# Altium PCB ST_Board.PcbDoc
Units mil, origin at the board's own origin, x right, y up, seen from the top; angles counter-clockwise.
Board outline 1653.54 x 1968.5 mil, 4 copper layers (Top Layer, GND, Power, Bottom Layer), stack 23.756 mil thick; 58 components, 54 nets, 225 pads, 114 vias.
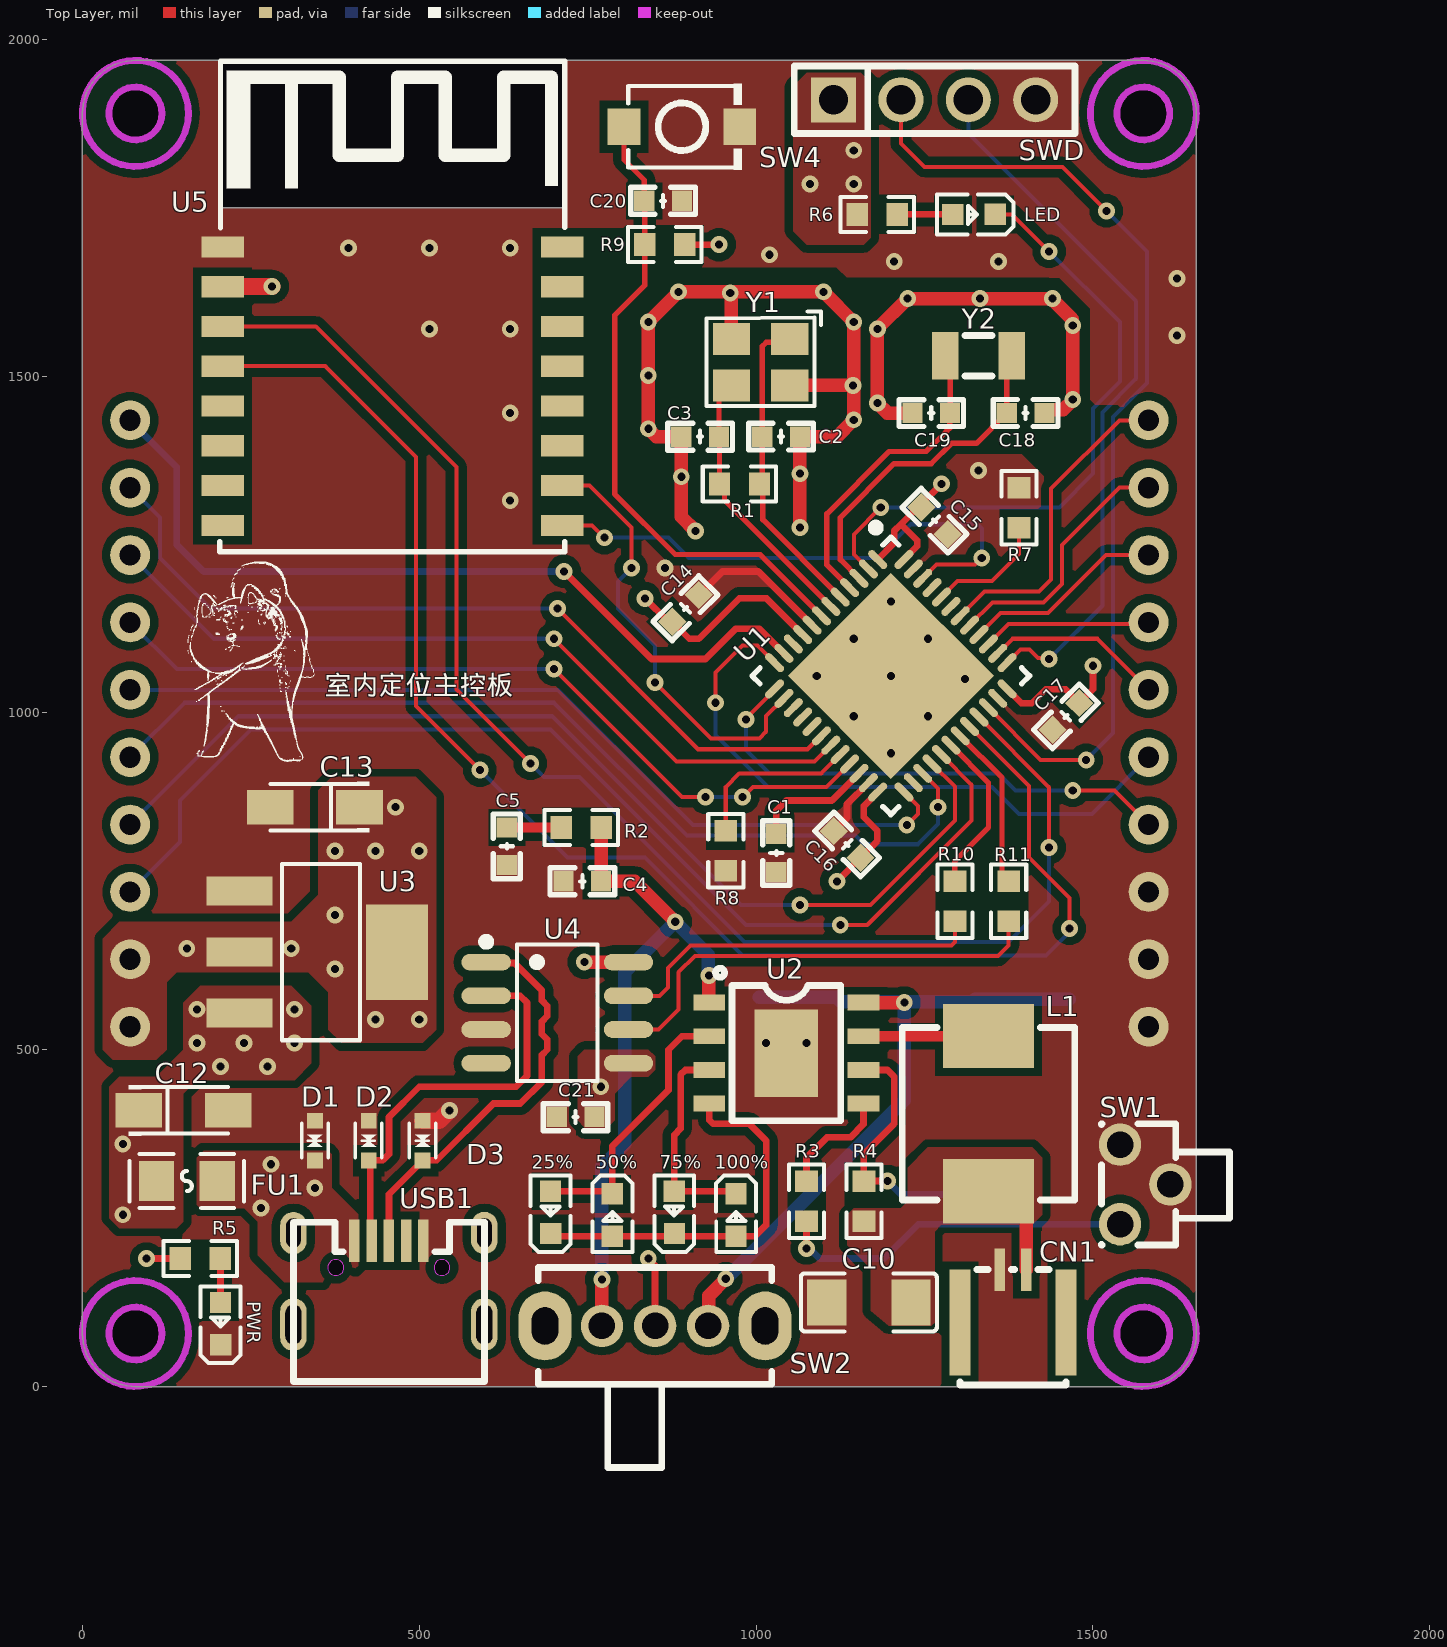
[diagram p0: Top Layer view]
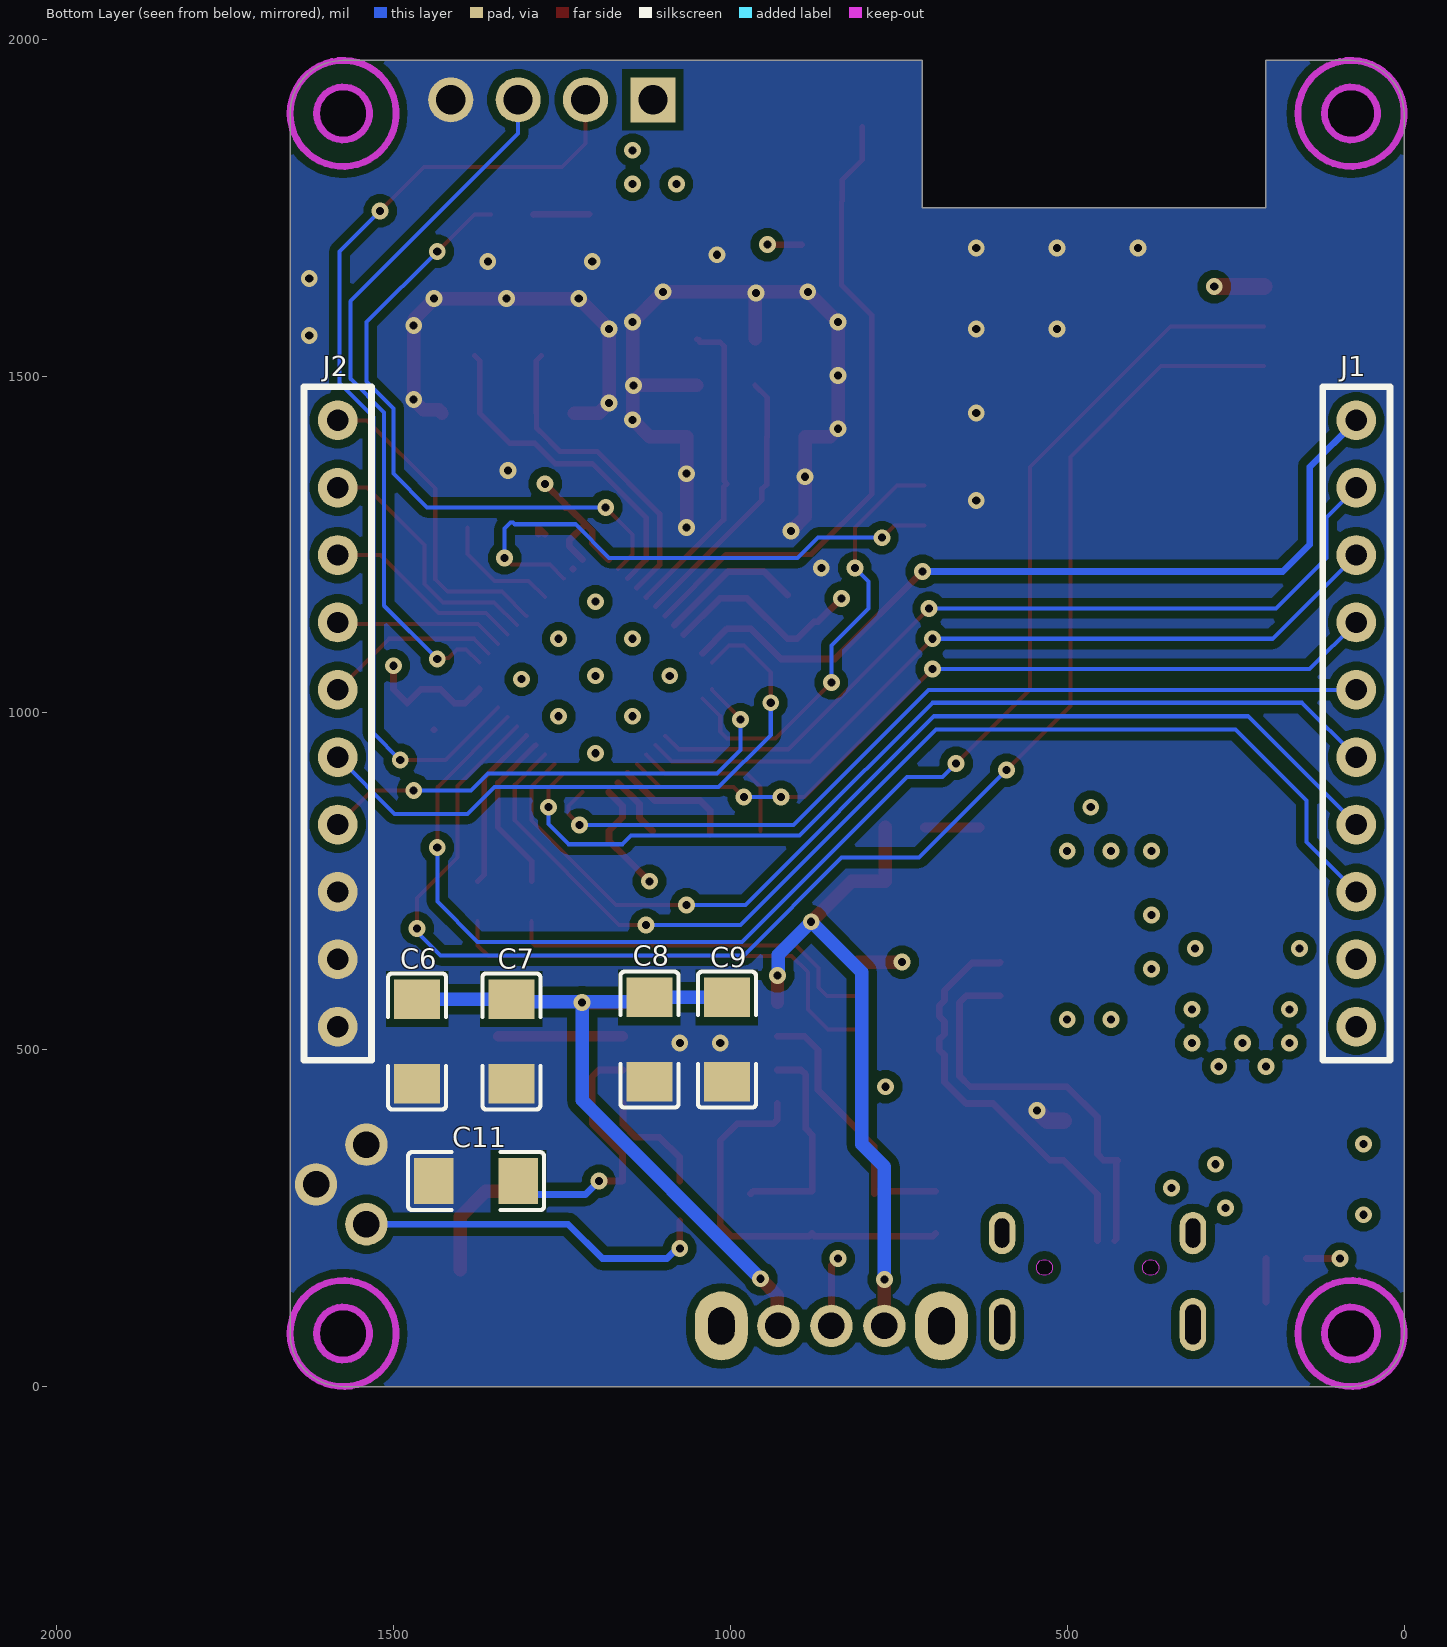
[diagram p1: Bottom Layer view, seen from below]
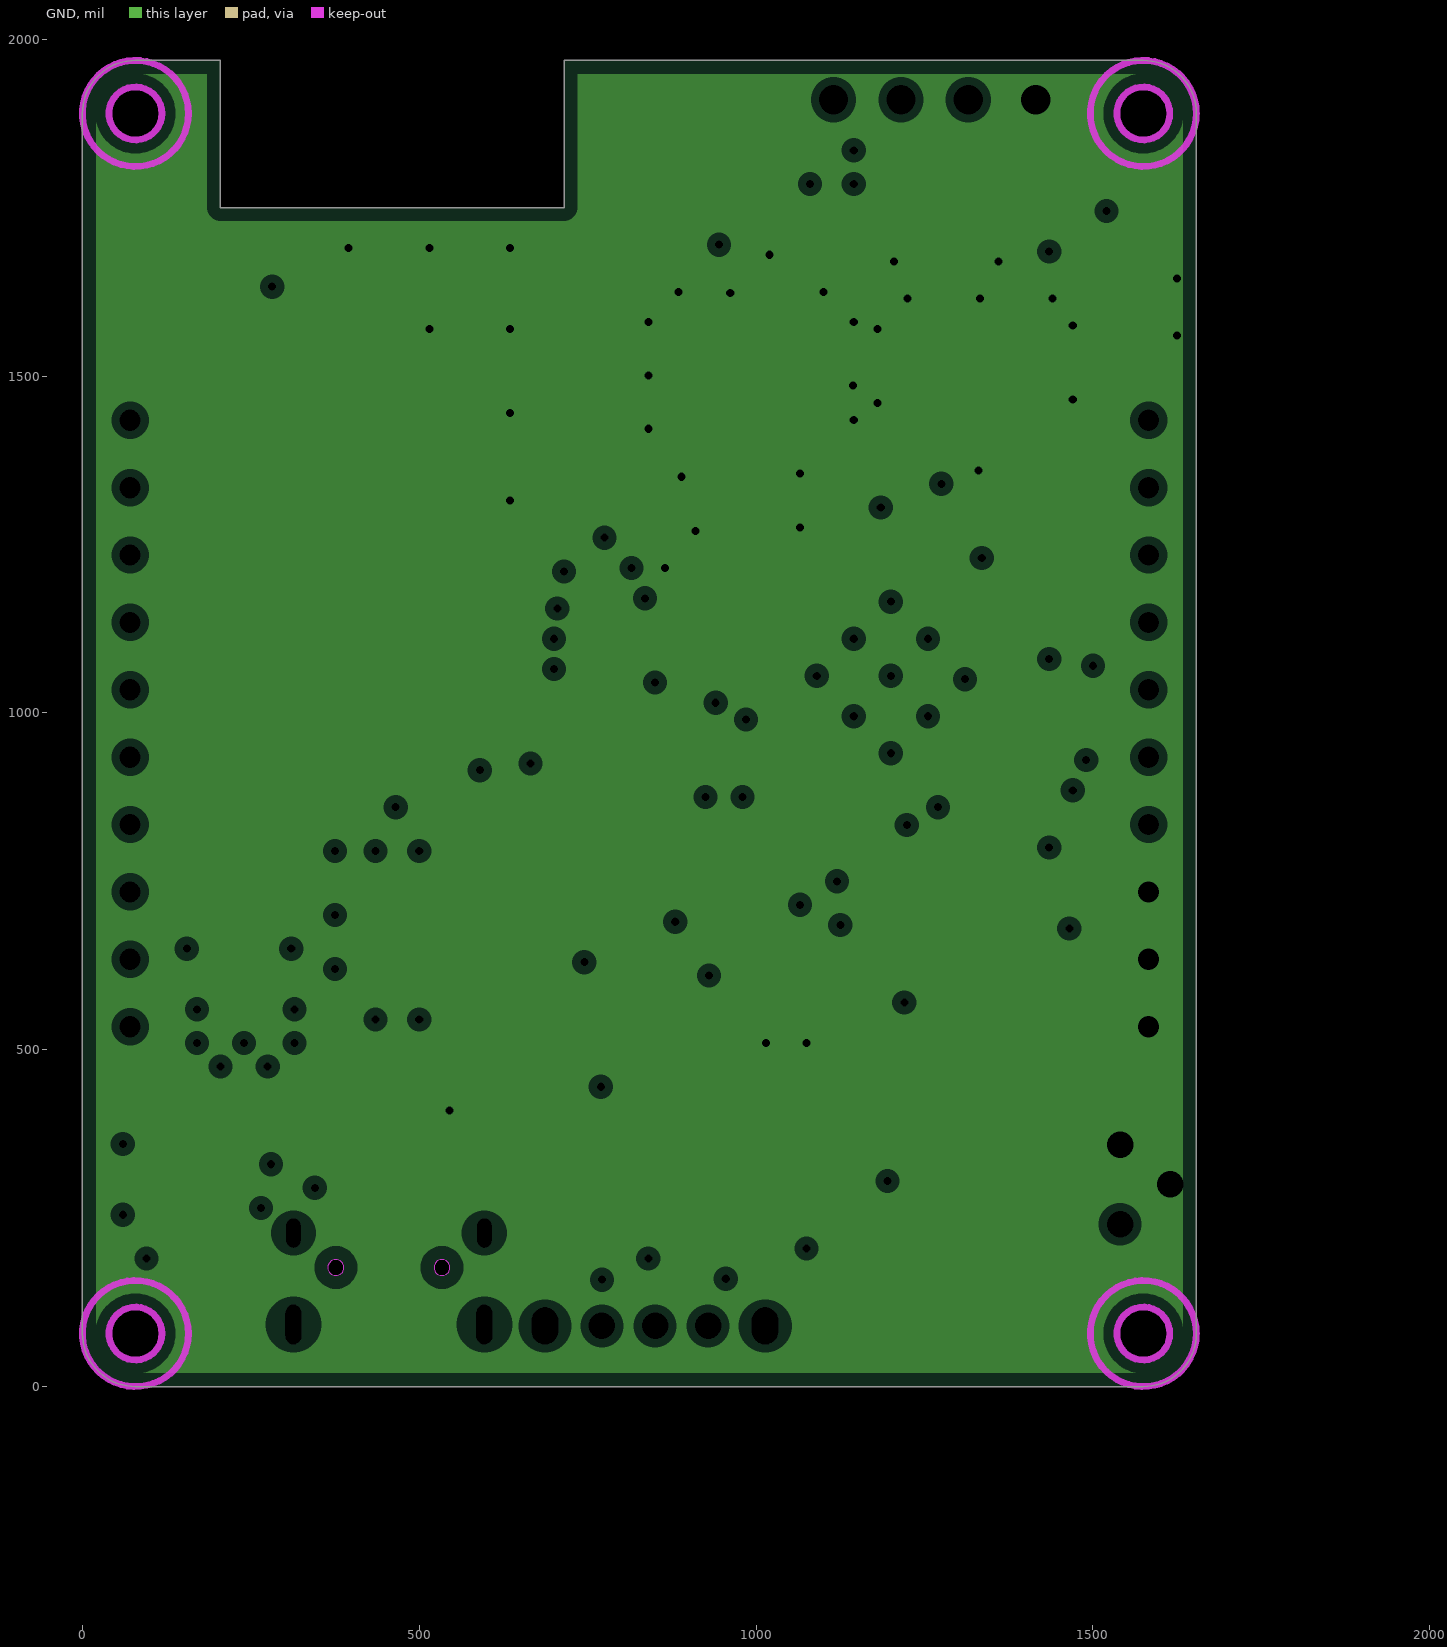
[diagram p2: GND, clearances drawn from the general rule]
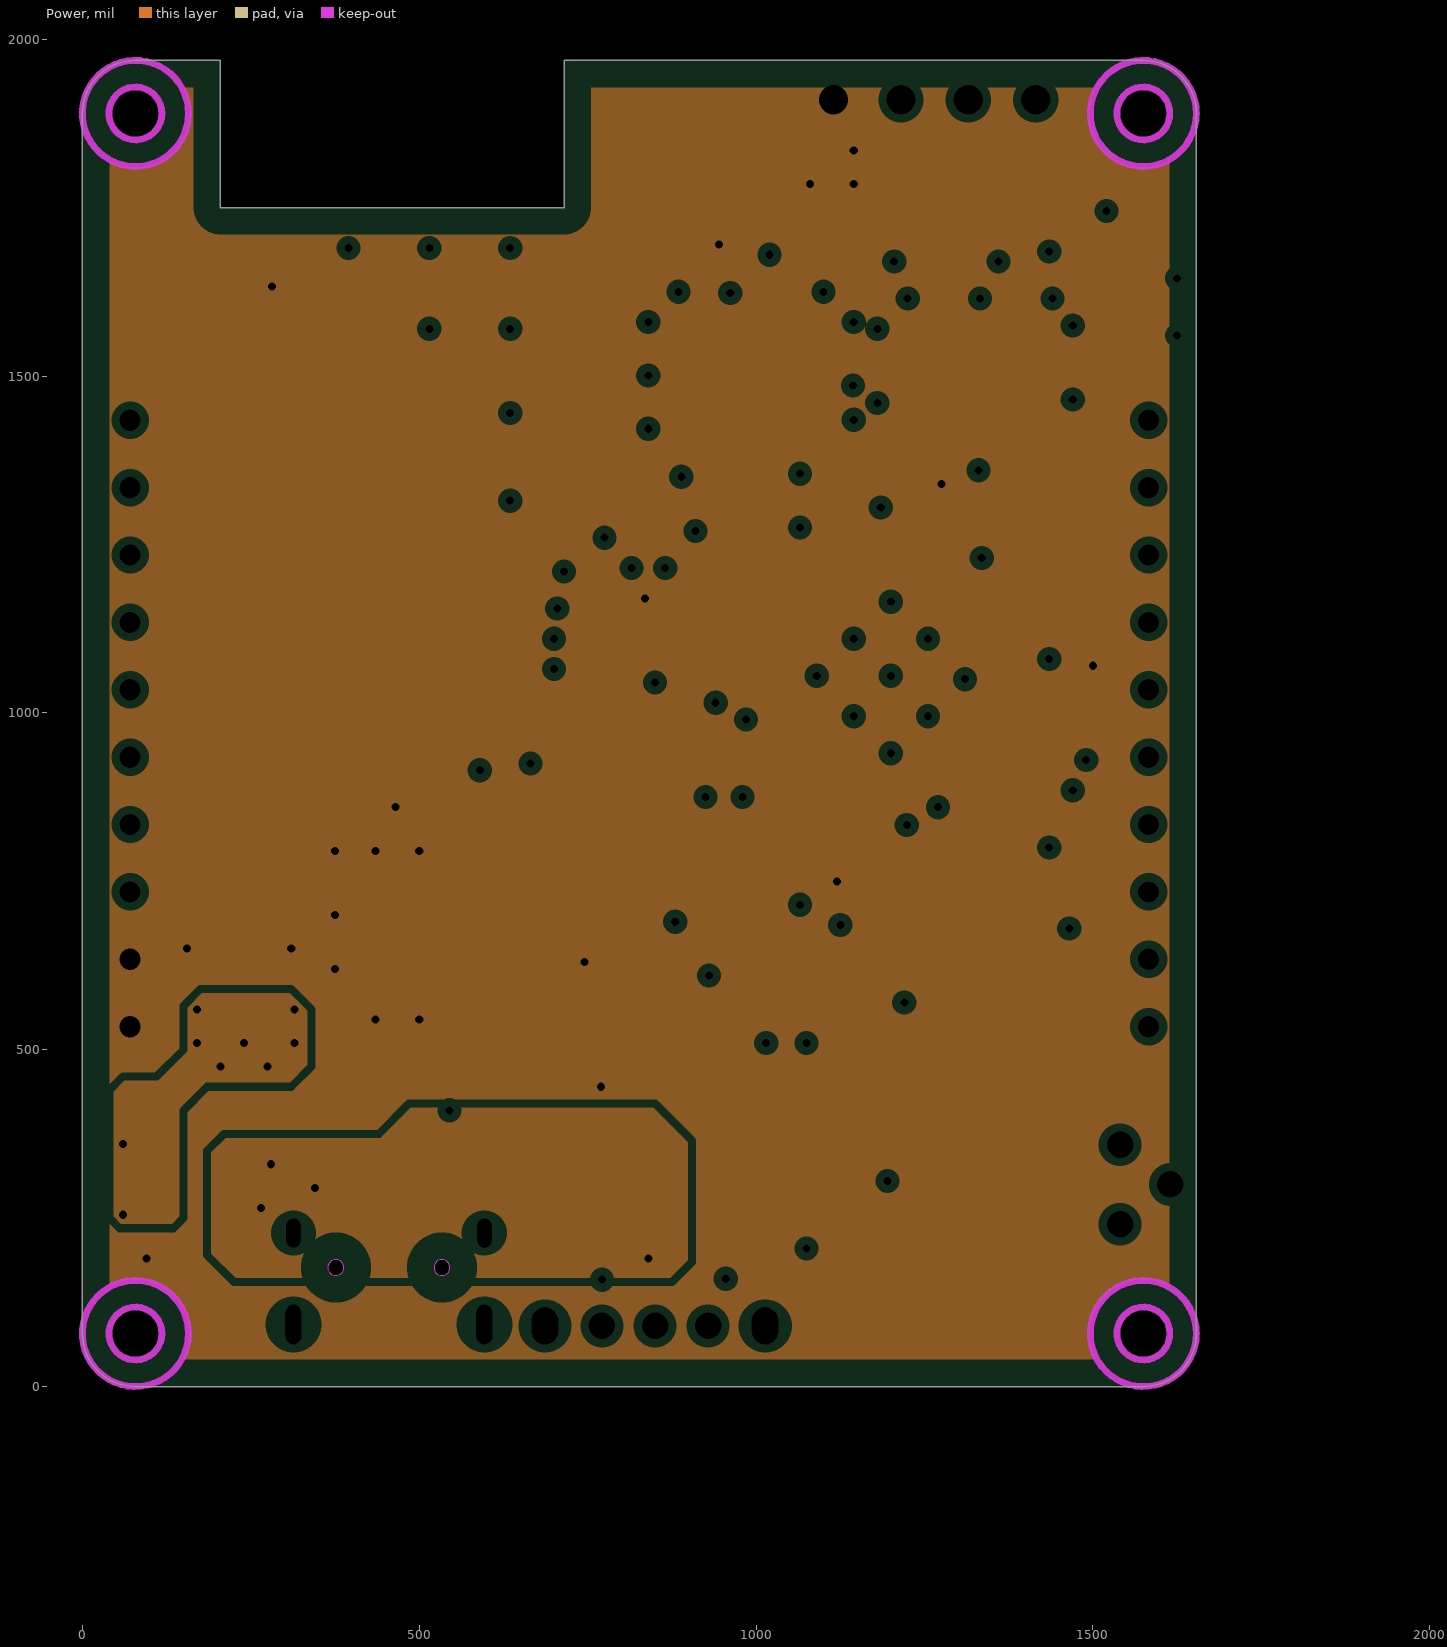
[diagram p3: Power, clearances drawn from the general rule]
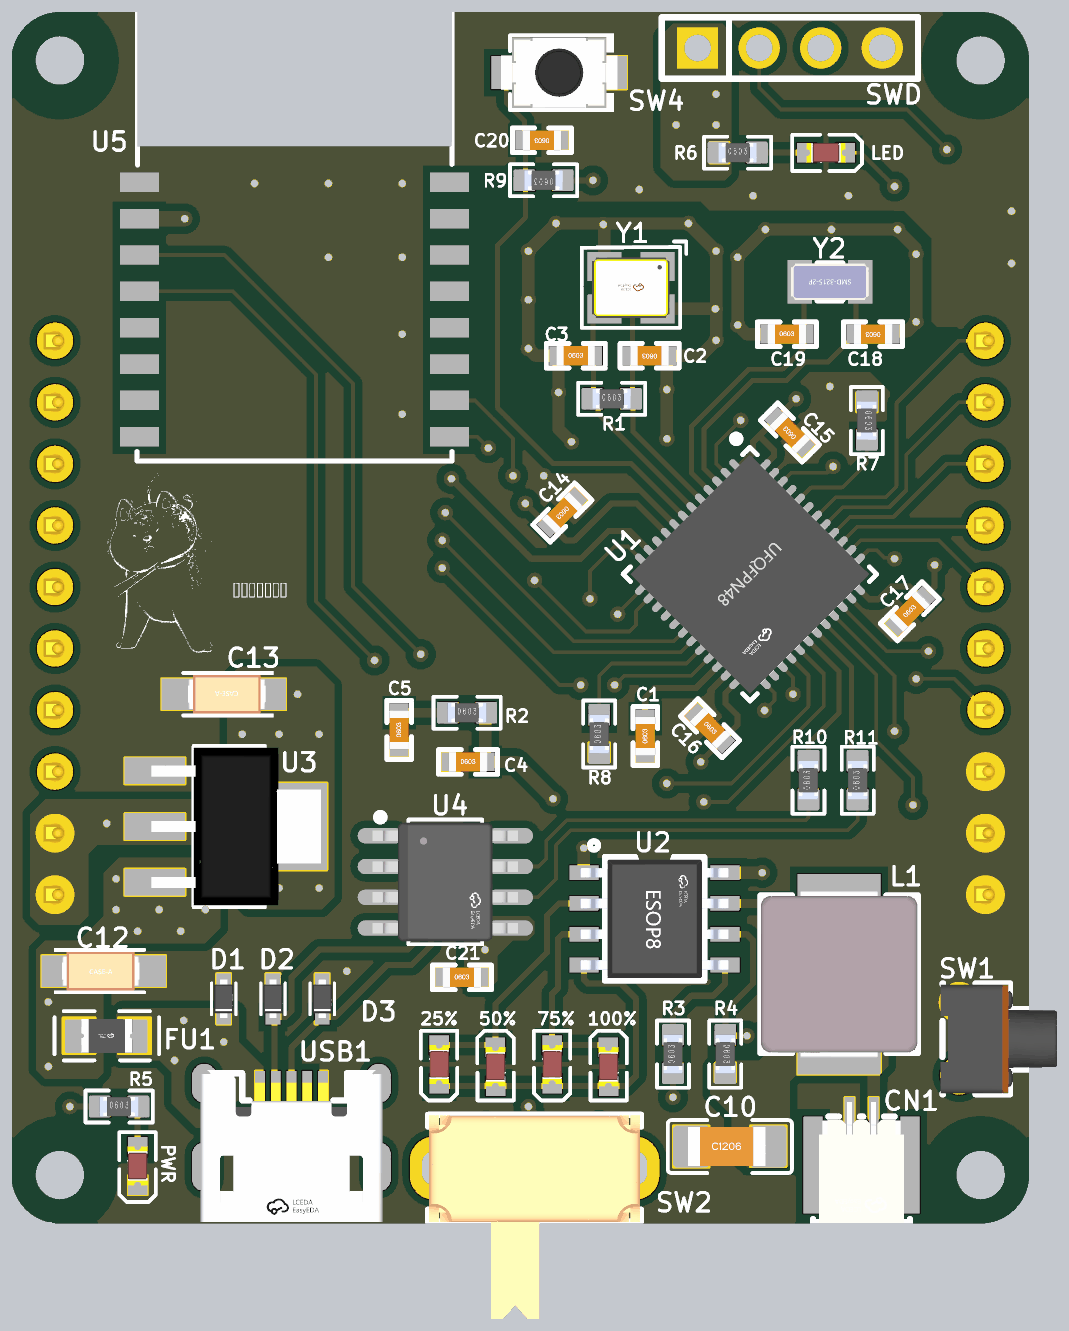
[diagram p4: 3D render of the assembled board from above, using the file's embedded part models]
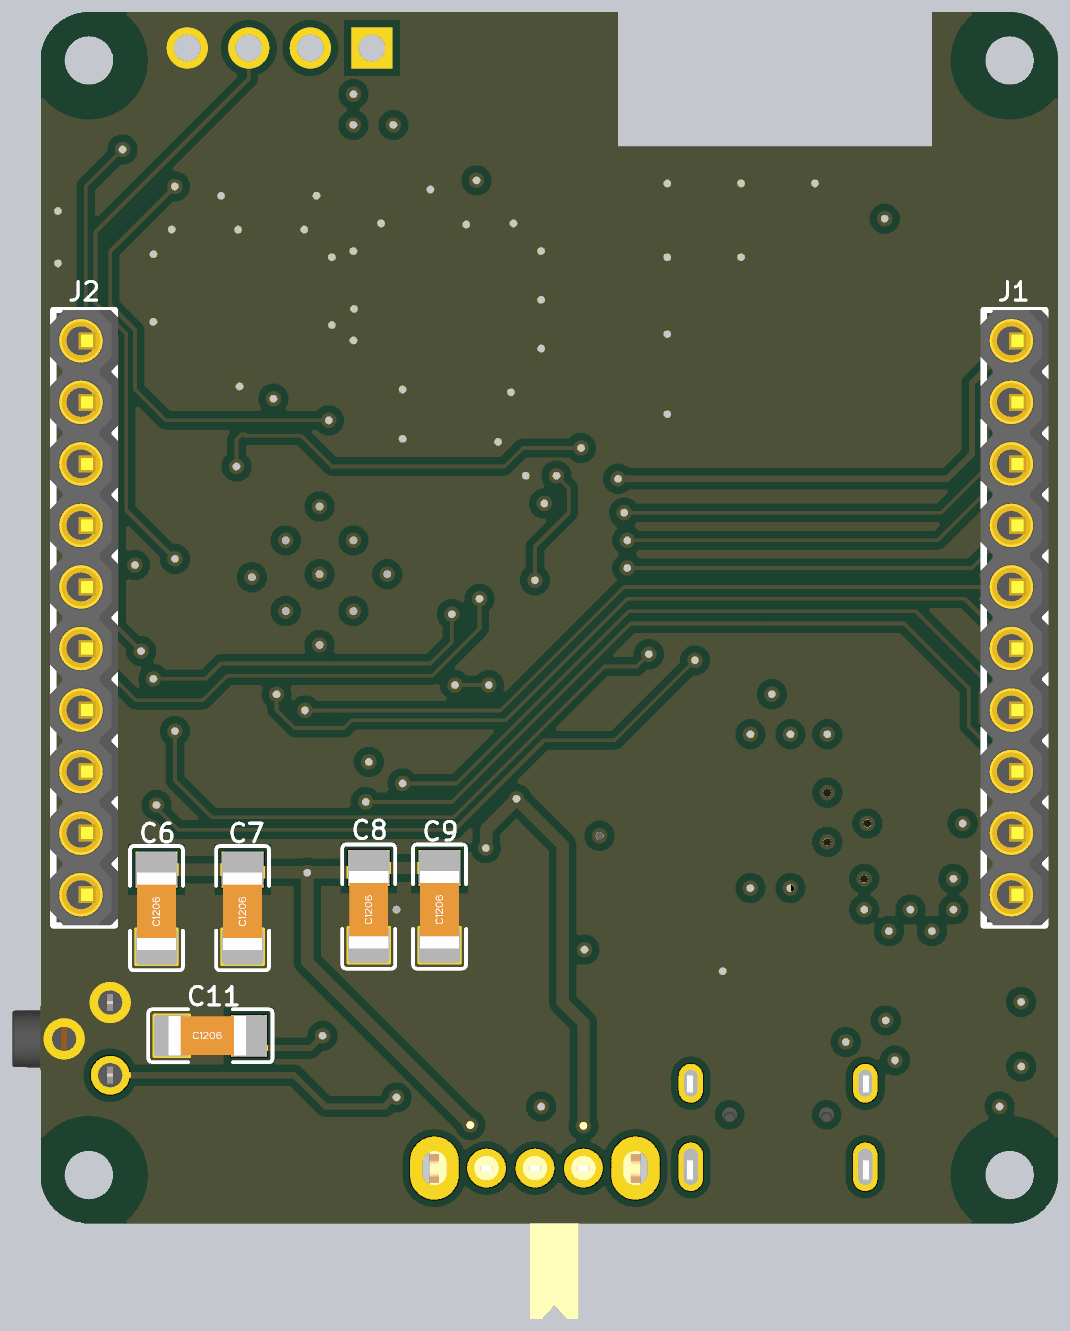
[diagram p5: 3D render of the assembled board from below, using the file's embedded part models]

## Layer stack, top to bottom
Top Solder: solder mask 0.4, Solder Resist, Dk 3.5
Top Layer: signal copper 1.4
Dielectric 1: dielectric 2.8, FR-4, Dk 4.8
GND: plane copper 1.378, net GND
Dielectric2: dielectric 12.6, FR-4, Dk 4.8
Power: plane copper 1.378, net (Multiple Nets)
Dielectric3: dielectric 2.8, FR-4, Dk 4.8
Bottom Layer: signal copper 1.4
Bottom Solder: solder mask 0.4, Solder Resist, Dk 3.5

## Board outline
0,78.74 0,1889.76 cw(c78.74,1889.76) 78.74,1968.5 205,1968.5 205,1750 715,1750 715,1968.5 1574.8,1968.5 cw(c1574.8,1889.76) 1653.54,1889.76 1653.54,78.74 cw(c1574.8,78.74) 1574.8,0 78.74,0 cw(c78.74,78.74)
cut-out: 78.74,1850.39 cw(c78.74,1889.76) 39.37,1889.76 cw(c78.74,1889.76) 78.74,1929.13 cw(c78.74,1889.76) 118.11,1889.76 cw(c78.74,1889.76)
cut-out: 1574.8,1850.39 cw(c1574.8,1889.76) 1535.43,1889.76 cw(c1574.8,1889.76) 1574.8,1929.13 cw(c1574.8,1889.76) 1614.17,1889.76 cw(c1574.8,1889.76)
cut-out: 1535.43,78.74 ccw(c1574.8,78.74) 1574.8,39.37 ccw(c1574.8,78.74) 1614.17,78.74 ccw(c1574.8,78.74) 1574.8,118.11 ccw(c1574.8,78.74)
cut-out: 39.37,78.74 ccw(c78.74,78.74) 78.74,39.37 ccw(c78.74,78.74) 118.11,78.74 ccw(c78.74,78.74) 78.74,118.11 ccw(c78.74,78.74)
